# Altium PCB 190929 PCB (REV0).PcbDoc (part 1 of 2)
Units mm, origin at the board's own origin, x right, y up, seen from the top; angles counter-clockwise.
Board outline 152.5 x 105 mm, 4 copper layers (Top Copper, Signal Layer 1 (GND), Signal Layer 2 (PWR), Bottom Copper), stack 1.464 mm thick; 164 components, 136 nets, 624 pads, 357 vias.
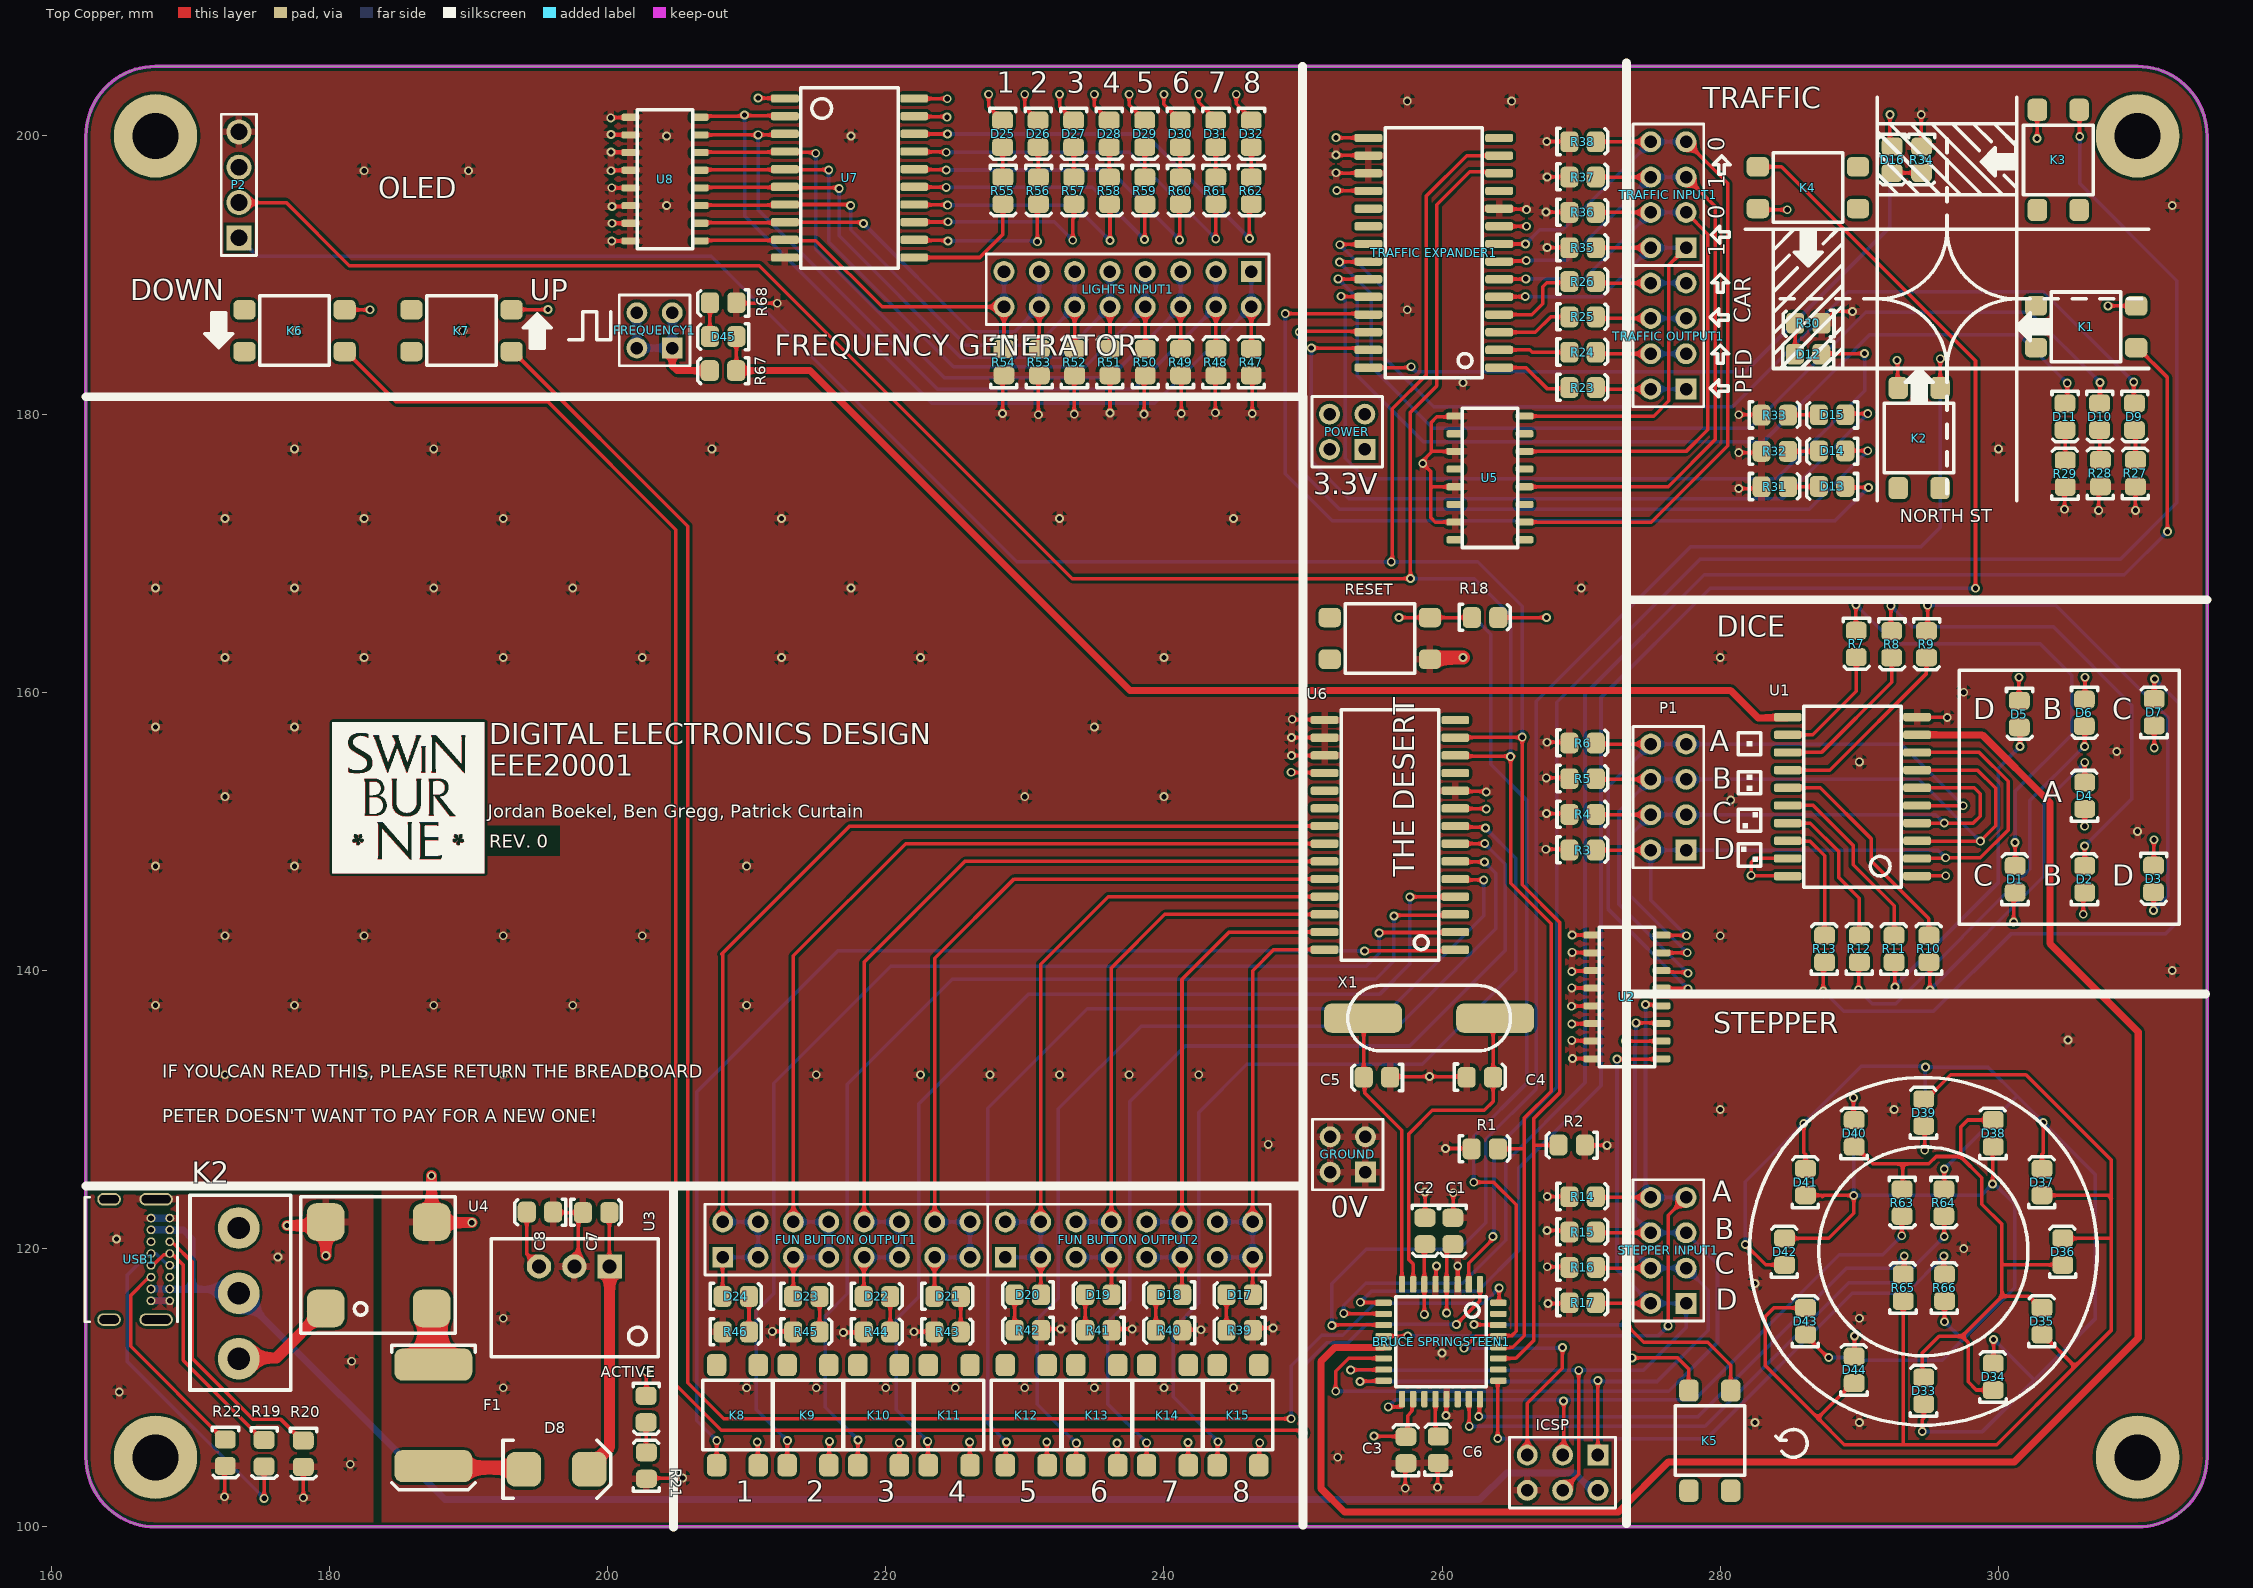
[diagram p0: Top Copper view]
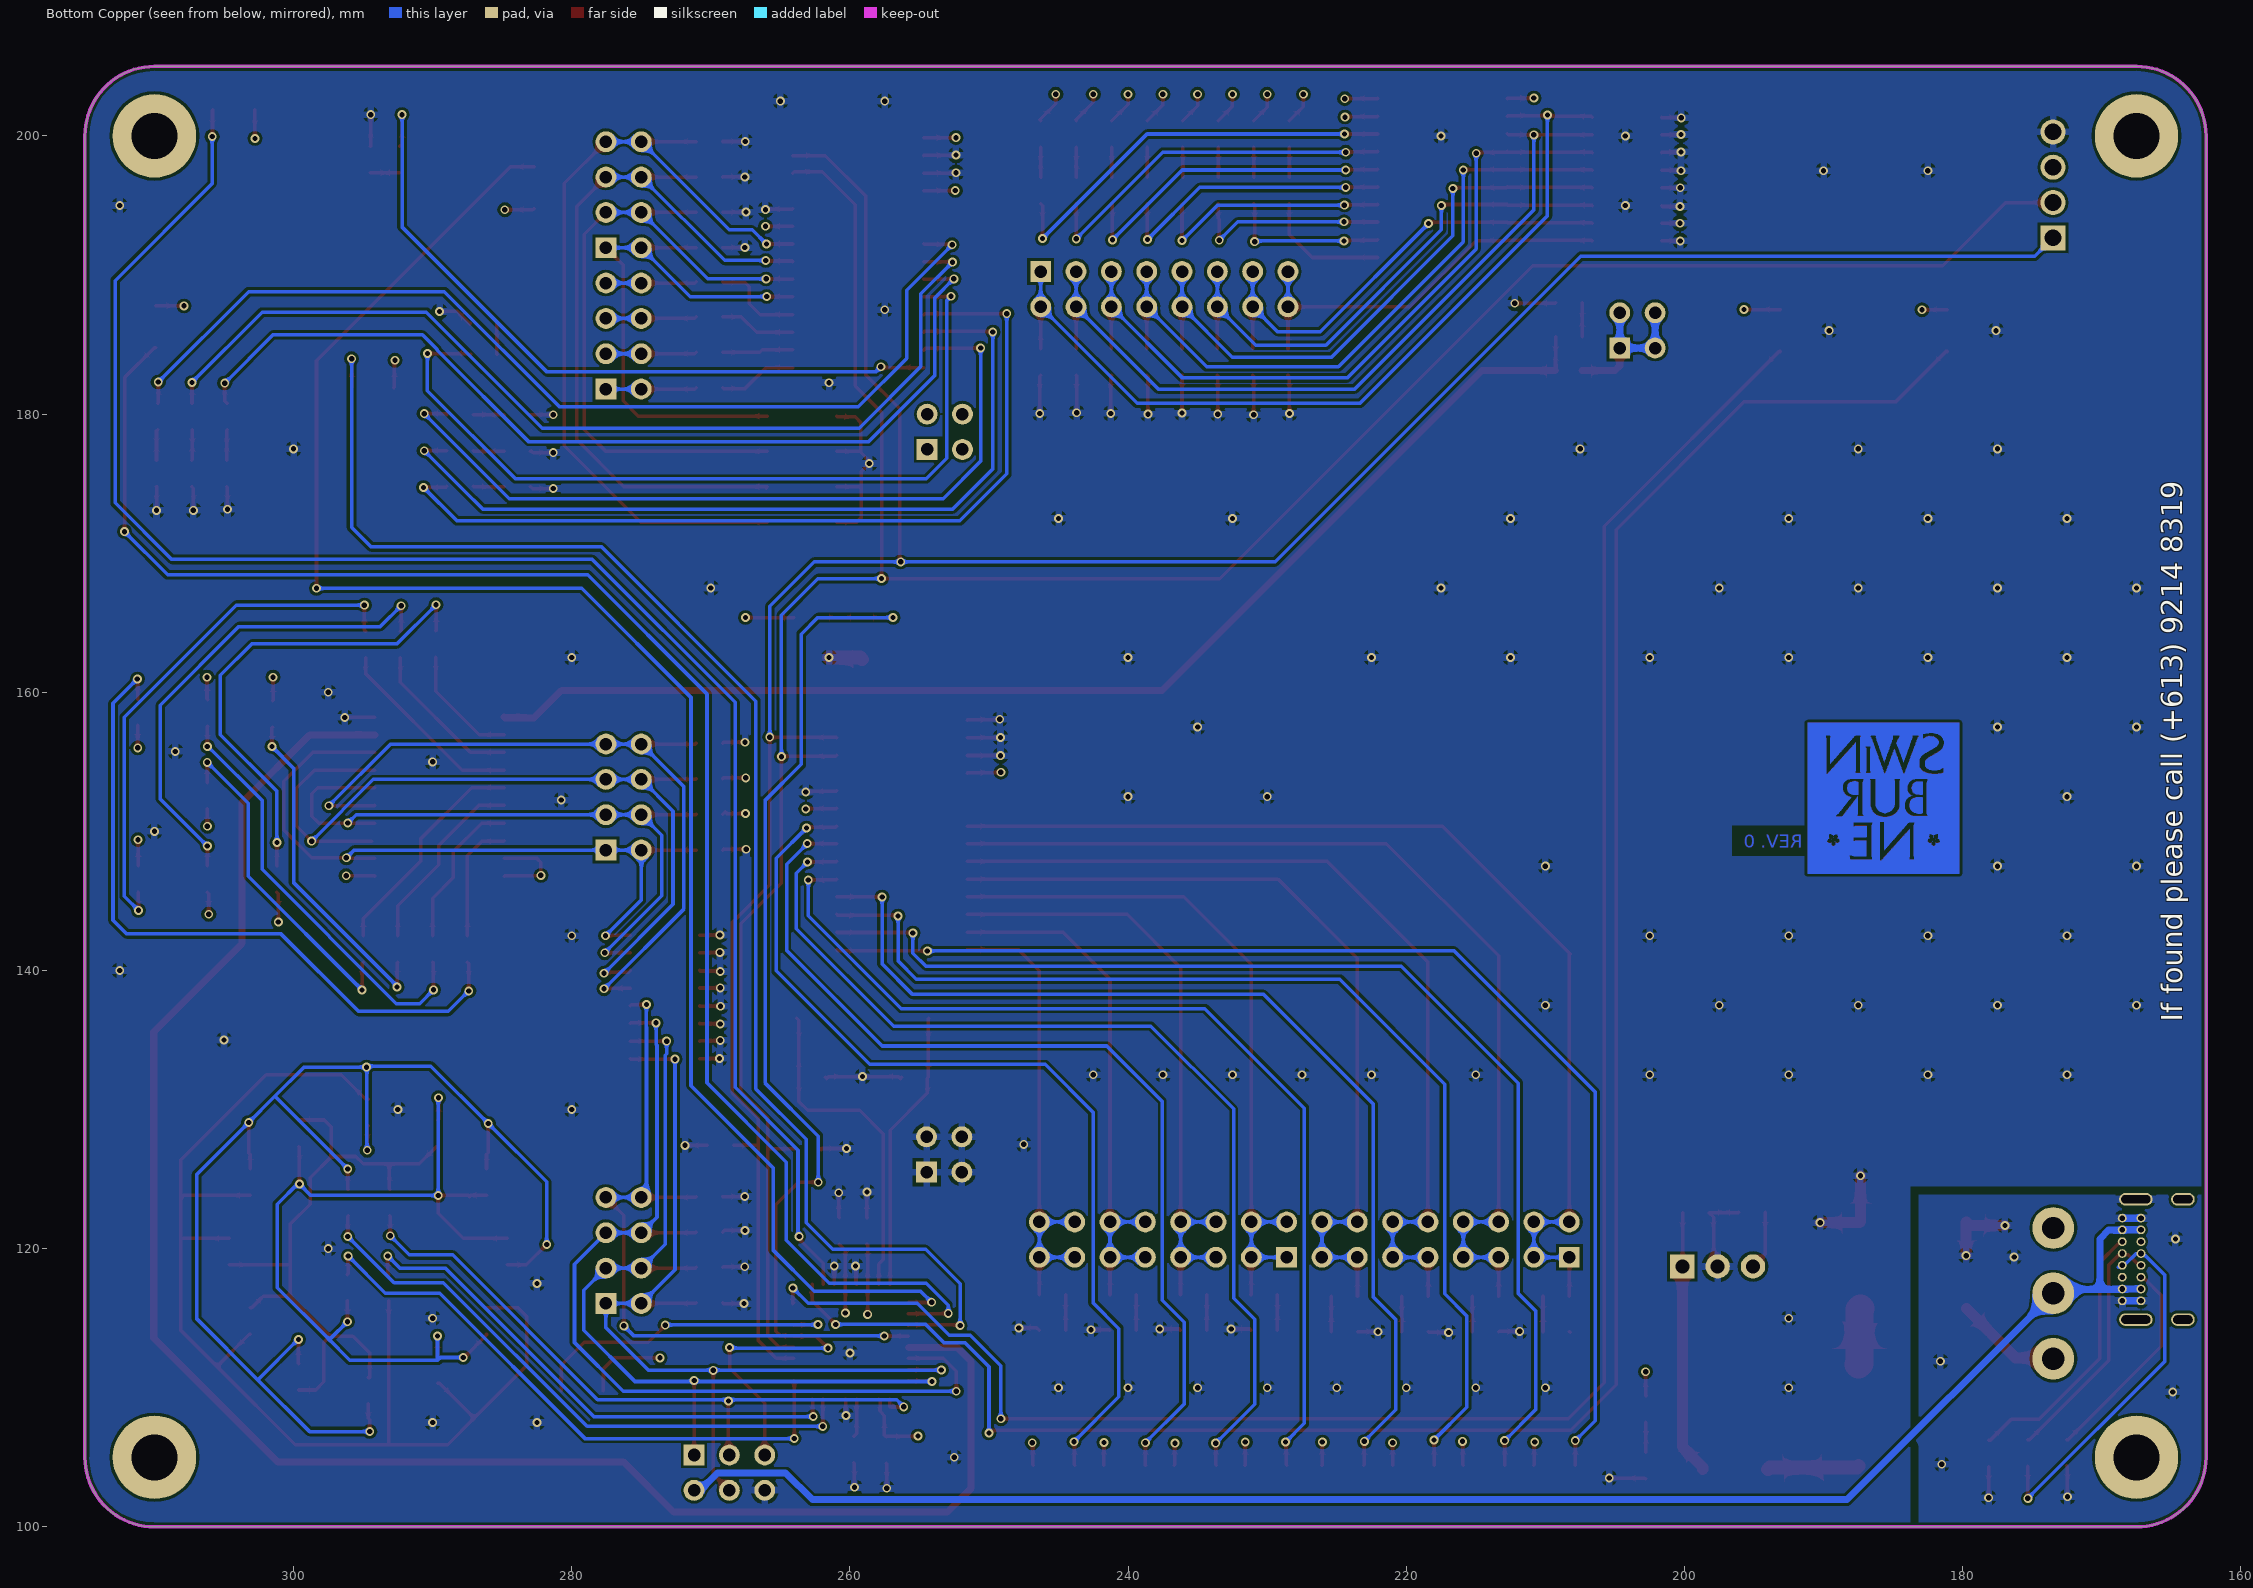
[diagram p1: Bottom Copper view, seen from below]
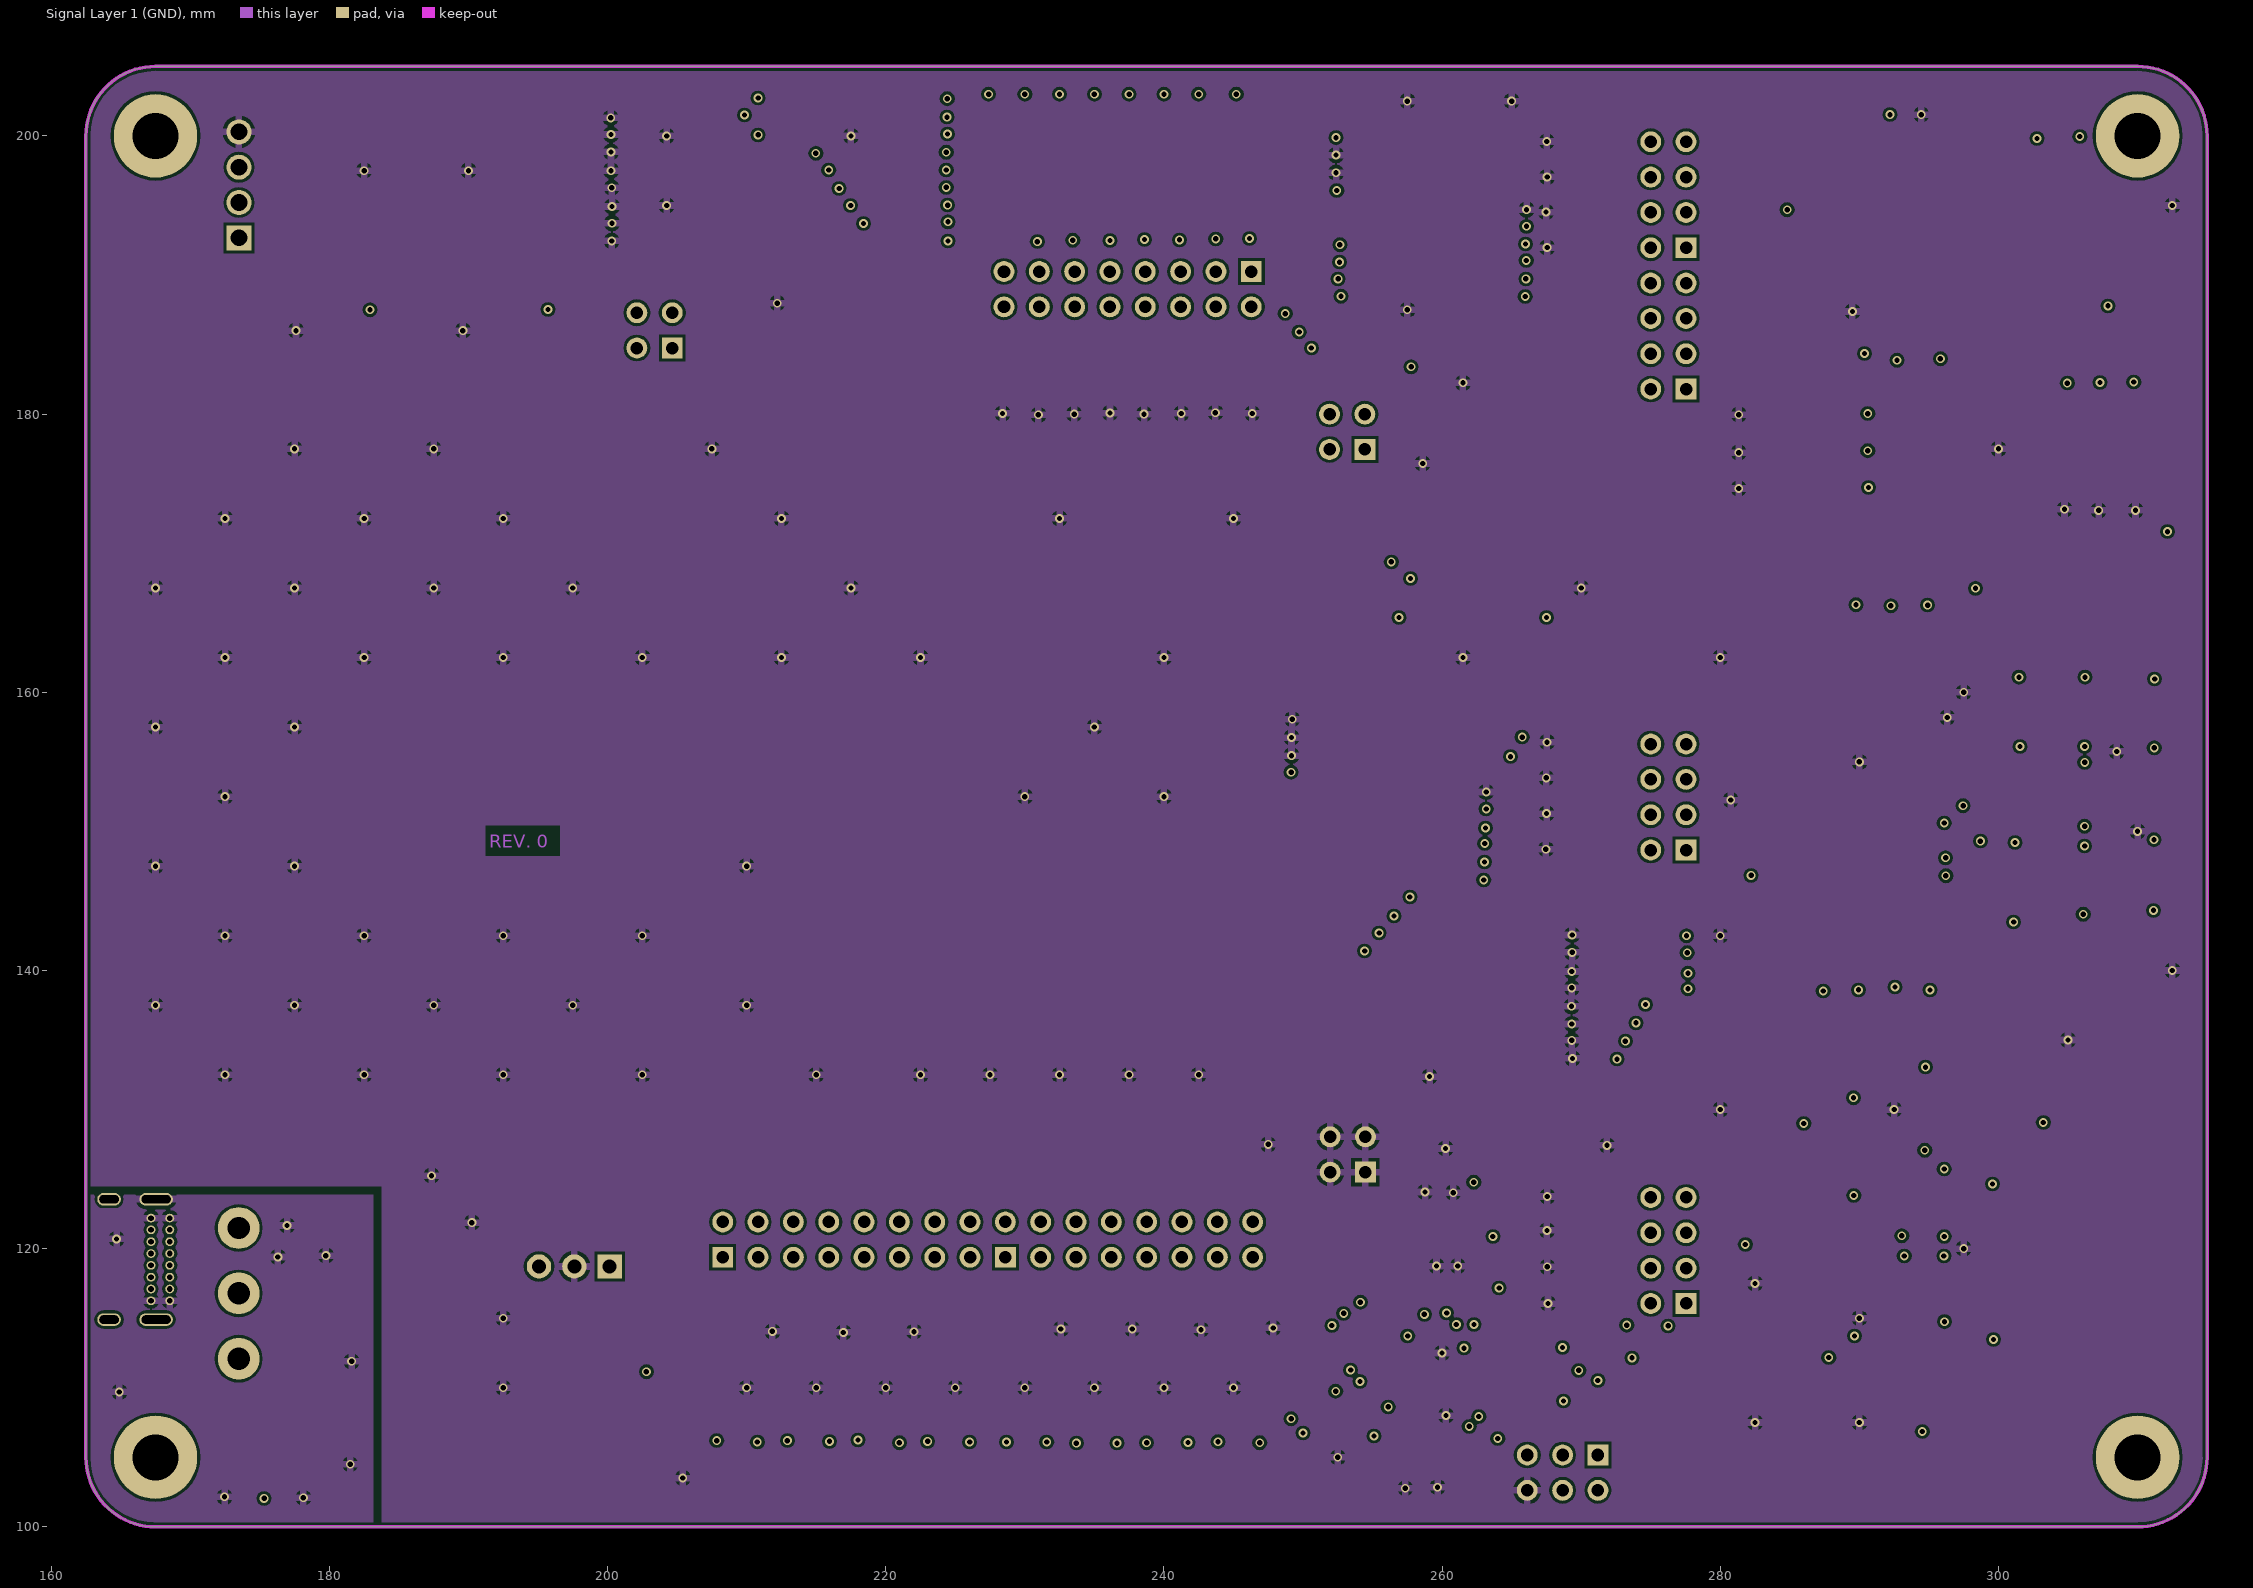
[diagram p2: Signal Layer 1 (GND)]